# KiCad board pandemonium.kicad_pcb
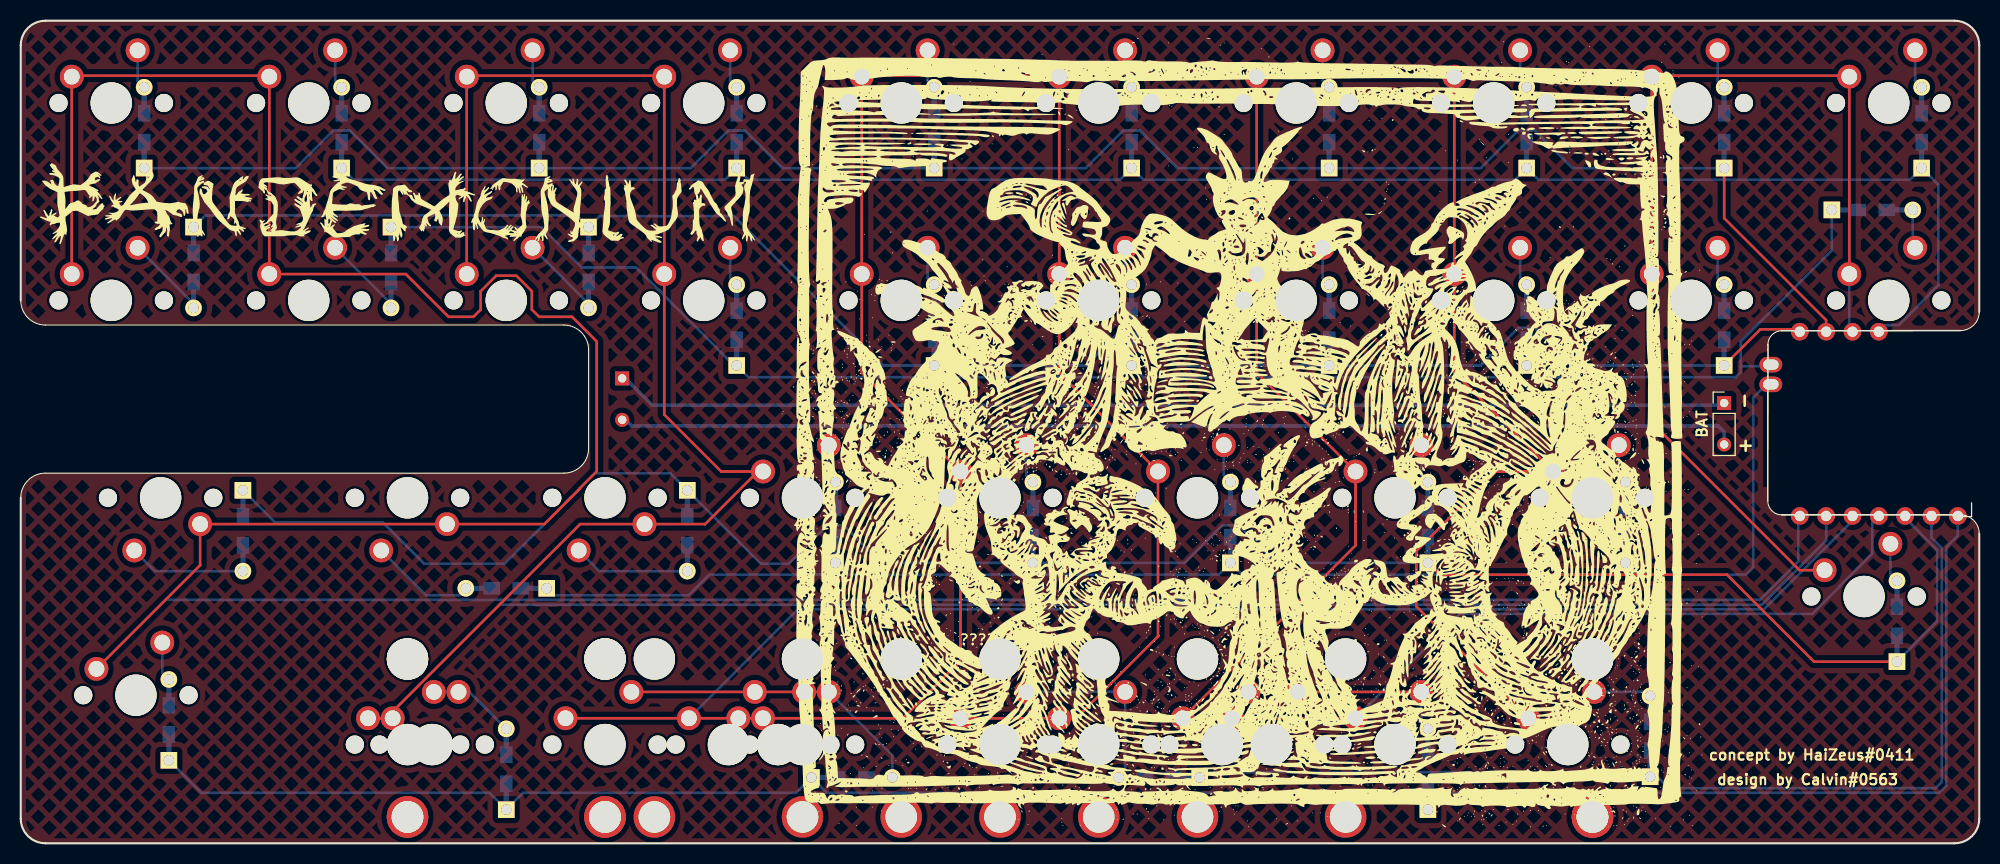
[diagram p0: board, top side]
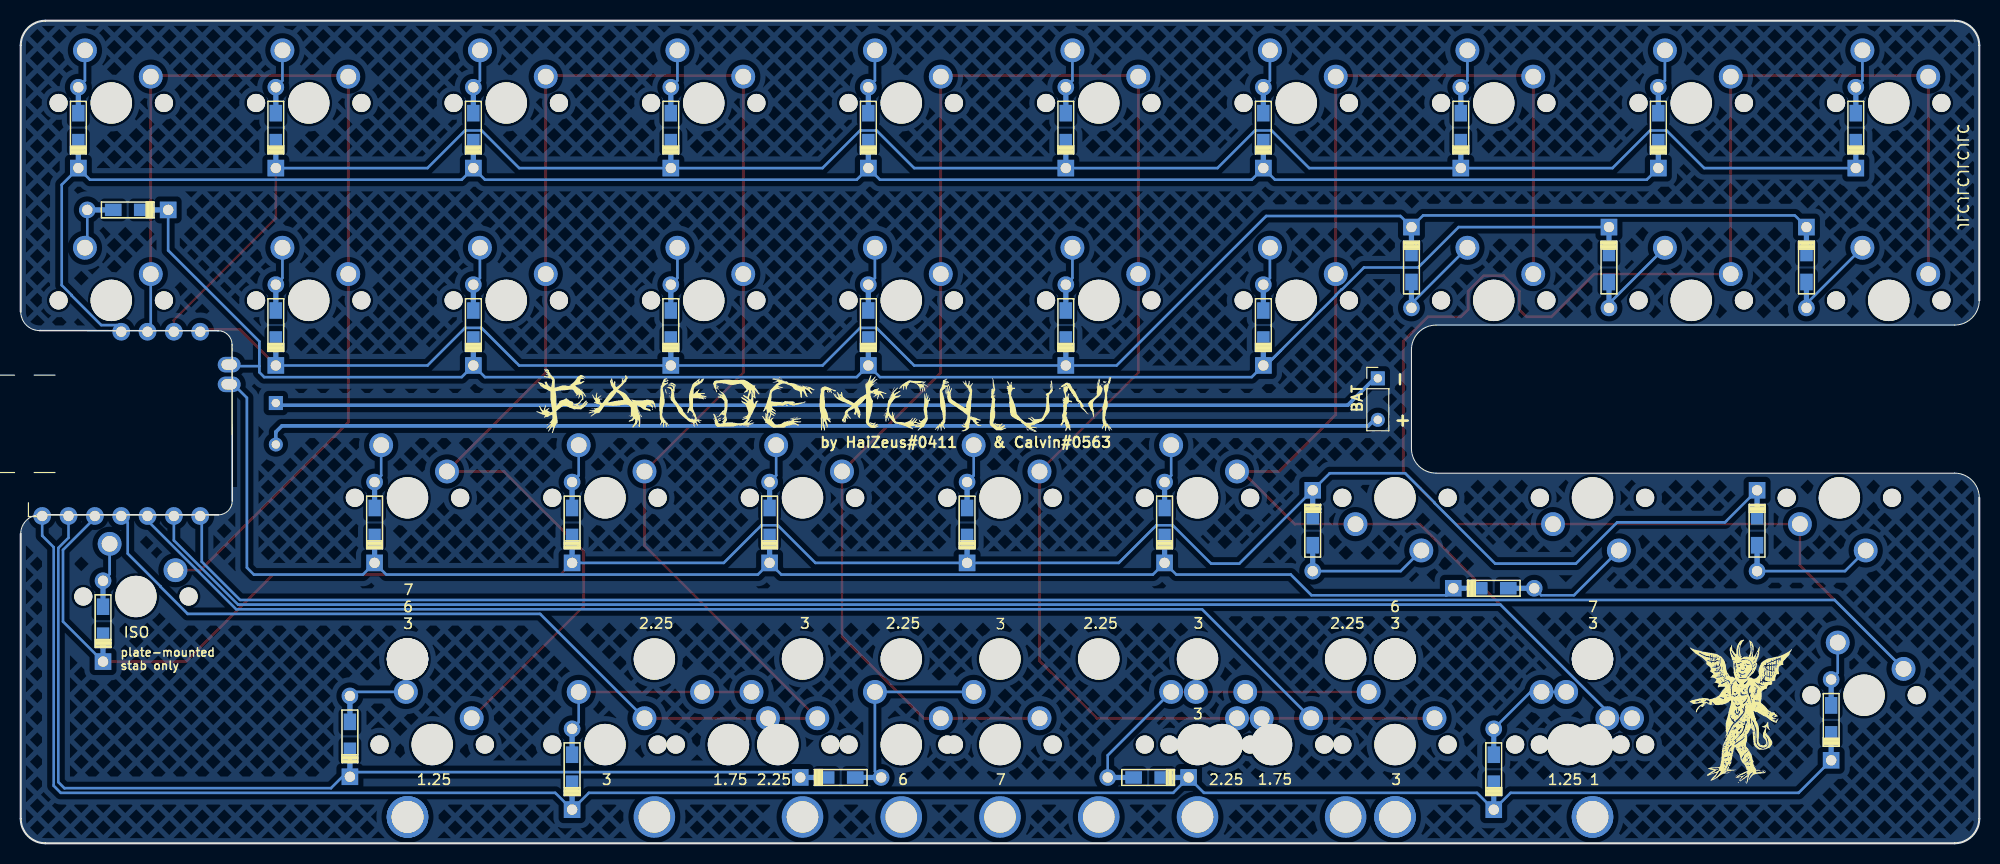
[diagram p1: board, bottom side, seen from below]

Outline 188.91 x 79.38 mm; copper layers: Top, Bottom. Coordinates in mm from the lower left corner of the outline.
Outline path: 0,76.99 0,52.39 arc(0.7,50.7) 2.38,50.01 52.39,50.01 arc(54.07,49.31) 54.77,47.63 54.77,38.1 arc(54.07,36.42) 52.39,35.72 2.38,35.72 arc(0.7,35.02) 0,33.34 0,2.38 arc(0.7,0.7) 2.38,0 186.53,0 arc(188.22,0.7) 188.91,2.38 188.91,29.87 arc(188.38,31.16) 187.09,31.69 169.86,31.69 arc(168.91,32.09) 168.51,33.04 168.53,48.12 arc(168.92,49.06) 169.86,49.45 187.09,49.47 arc(188.38,50.01) 188.91,51.3 188.91,76.99 arc(188.22,78.68) 186.53,79.38 2.38,79.38 arc(0.7,78.68) 0,76.99

## Placement (name value [footprint] x y rotation side)
D1  D_Small  [Diode-Hybrid-Back]  11.91 69.06 270 top
D2  D_Small  [Diode-Hybrid-Back]  107.16 69.06 270 top
D3  D_Small  [Diode-Hybrid-Back]  16.67 55.56 90 top
D4  D_Small  [Diode-Hybrid-Back]  107.16 50.01 270 top
D5  D_Small  [Diode-Hybrid-Back]  21.43 30.16 90 top
D6  D_Small  [Diode-Hybrid-Back]  116.68 30.96 270 top
D7  D_Small  [Diode-Hybrid-Back]  14.29 11.91 270 top
D8  D_Small  [Diode-Hybrid-Back]  30.96 69.06 270 top
D9  D_Small  [Diode-Hybrid-Back]  126.21 69.06 270 top
D10  D_Small  [Diode-Hybrid-Back]  35.72 55.56 90 top
D11  D_Small  [Diode-Hybrid-Back]  126.21 50.01 270 top
D12  D_Small  [Diode-Hybrid-Back]  46.83 24.61 0 top
D13  D_Small  [Diode-Hybrid-Back]  135.73 30.96 270 top
D14  D_Small  [Diode-Hybrid-Back]  46.83 7.14 270 top
D15  D_Small  [Diode-Hybrid-Back]  50.01 69.06 270 top
D16  D_Small  [Diode-Hybrid-Back]  145.26 69.06 270 top
D17  D_Small  [Diode-Hybrid-Back]  54.77 55.56 90 top
D18  D_Small  [Diode-Hybrid-Back]  145.26 50.01 270 top
D19  D_Small  [Diode-Hybrid-Back]  64.29 30.16 90 top
D20  D_Small  [Diode-Hybrid-Back]  154.78 30.96 270 top
D21  D_Small  [Diode-Hybrid-Back]  80.17 6.35 180 top
D22  D_Small  [Diode-Hybrid-Back]  69.06 69.06 270 top
D23  D_Small  [Diode-Hybrid-Back]  88.11 69.06 270 top
D24  D_Small  [Diode-Hybrid-Back]  109.82 6.35 0 top
D25  D_Small  [Diode-Hybrid-Back]  164.31 69.06 270 top
D26  D_Small  [Diode-Hybrid-Back]  183.36 69.06 270 top
D27  D_Small  [Diode-Hybrid-Back]  157.16 10.32 270 top
D28  D_Small  [Diode-Hybrid-Back]  69.06 50.01 270 top
D29  D_Small  [Diode-Hybrid-Back]  88.11 50.01 270 top
D31  D_Small  [Diode-Hybrid-Back]  164.31 50.01 270 top
D32  D_Small  [Diode-Hybrid-Back]  178.59 61.12 180 top
D34  D_Small  [Diode-Hybrid-Back]  78.58 30.96 270 top
D35  D_Small  [Diode-Hybrid-Back]  97.63 30.96 270 top
D37  D_Small  [Diode-Hybrid-Back]  180.98 21.43 270 top
D40  D_Small  [Diode-Hybrid-Back]  135.73 7.14 270 top
G***  -  [LOGO]  117.48 39.69 0 top
G***#2  -  [LOGO]  35.72 61.91 0 top
G***#3  -  [LOGO]  111.92 42.86 180 bottom
G***#4  -  [LOGO]  23.02 12.7 180 bottom
J1  XIAO nrf52840  [Seeeduino XIAO-MOUDLE14P-2.54-21X17.8MM]  168.68 31.59 90 bottom
J2  Conn_01x02_Female  [JST_PH_S2B-PH-K_1x02_P2.00mm_Horizontal]  164.31 40.48 270 top
J3  Conn_01x03_Female  [JST_PH_S3B-PH-K_1x03_P2.00mm_Horizontal]  58.01 42.86 270 bottom
MX1  MX_SW_solder  [SW_MX_1u]  8.73 71.44 0 top
MX2  MX_SW_solder  [SW_MX_1u]  103.98 71.44 0 top
MX3  MX_SW_solder  [SW_MX_1u]  8.73 52.39 0 top
MX4  MX_SW_solder  [SW_MX_1u]  103.98 52.39 0 top
MX5  MX_SW_solder  [SW_MX_1.5u]  13.49 33.34 180 top
MX6  MX_SW_solder  [SW_MX_1u]  113.51 33.34 0 top
MX7  MX_SW_solder  [SW_MX_1.25u]  11.11 14.29 0 top
MX8  MX_SW_solder  [SW_MX_1u]  27.78 71.44 0 top
MX9  MX_SW_solder  [SW_MX_1u]  123.03 71.44 0 top
MX10  MX_SW_solder  [SW_MX_1u]  27.78 52.39 0 top
MX11  MX_SW_solder  [SW_MX_1u]  123.03 52.39 0 top
MX12  MX_SW_solder  [SW_MX_1u]  37.31 33.34 180 top
MX13  MX_SW_solder  [SW_MX_1u]  132.56 33.34 0 top
MX14  MX_SW_solder  [SW_MX_1u]  37.31 9.53 0 top
MX15  MX_SW_solder  [SW_MX_1u]  46.83 71.44 0 top
MX16  MX_SW_solder  [SW_MX_1u]  142.08 71.44 0 top
MX17  MX_SW_solder  [SW_MX_1u]  46.83 52.39 0 top
MX18  MX_SW_solder  [SW_MX_1u]  142.08 52.39 0 top
MX19  MX_SW_solder  [SW_MX_1u]  56.36 33.34 180 top
MX20  MX_SW_solder  [SW_MX_1u]  151.61 33.34 0 top
MX21  MX_SW_solder  [SW_MX_1u]  75.41 9.53 0 top
MX22  MX_SW_solder  [SW_MX_1u]  65.88 71.44 0 top
MX23  MX_SW_solder  [SW_MX_1u]  161.13 71.44 0 top
MX24  MX_SW_solder  [SW_MX_1u]  65.88 52.39 0 top
MX25  MX_SW_solder  [SW_MX_1u]  161.13 52.39 0 top
MX26  MX_SW_solder  [SW_MX_1u]  75.41 33.34 0 top
MX27  MX_SW_solder  [SW_MX_1u]  177.8 23.81 0 top
MX28  MX_SW_solder  [SW_MX_1u]  132.56 9.53 0 top
MX29  MX_SW_solder  [SW_MX_1u]  84.93 71.44 0 top
MX30  MX_SW_solder  [SW_MX_1u]  180.18 71.44 0 top
MX31  MX_SW_solder  [SW_MX_1u]  84.93 52.39 0 top
MX32  MX_SW_solder  [SW_MX_1u]  180.18 52.39 0 top
MX33  MX_SW_solder  [SW_MX_1u]  94.46 33.34 0 top
MX34  MX_SW_solder  [SW_MX_1u]  103.98 9.53 0 top
MX35  MX_SW_solder  [SW_MX_1u]  56.36 9.53 0 top
MX36  MX_SW_solder  [SW_MX_1.25u]  39.69 9.53 0 top
MX37  MX_SW_solder  [SW_MX_1u]  73.03 9.53 0 top
MX38  MX_SW_solder  [SW_MX_1.75u]  68.26 9.53 0 top
MX39  MX_SW_solder  [SW_MX_1u]  94.46 9.53 0 top
MX42  MX_SW_solder  [SW_MX_1u]  115.89 9.53 0 top
MX43  MX_SW_solder  [SW_MX_1.75u]  120.65 9.53 0 top
MX44  MX_SW_solder  [SW_MX_1.25u]  149.23 9.53 0 top
S2  MX_stab  [STAB_MX_P_3u]  75.41 9.53 180 top
S3  MX_stab  [STAB_MX_P_3u]  132.56 9.53 180 top
S4  MX_stab  [STAB_MX_P_3u]  56.36 9.53 180 top
S6  MX_stab  [STAB_MX_P_2.25u]  73.03 9.53 180 top
S7  MX_stab  [STAB_MX_P_2.25u]  115.89 9.53 180 top
S8  MX_stab  [STAB_MX_P_6u]  103.98 9.53 180 top
S9  MX_stab  [STAB_MX_P_7u]  94.46 9.53 180 top

## Library data of the parts
D1-D29 D31 D32 D34 D35 D37 D40 = -: Description: Diode, small symbol; Sim.Device: D; Sim.Pins: 1=K 2=A
J1 = -: Description: Pro-Micro controller, Pin 1 is TX, Pin 24 is VCC, 25 is B+, 26 is B-
J2 = -: Description: Generic connector, single row, 01x02, script generated (kicad-library-utils/schlib/autogen/connector/)
J3 = -: Description: Generic connector, single row, 01x03, script generated (kicad-library-utils/schlib/autogen/connector/)
MX1-MX39 MX42-MX44 = -: Description: Push button switch, normally open, two pins, 45° tilted
S2-S4 S6-S9 = -: Description: Cherry MX-style stabilizer

## Footprints (pads in the part's own frame, mm; a bottom-side part is the same pattern mirrored in y, then rotated)
Diode-Hybrid-Back
  rect 1.6x1.2 smd far side: 1(1.4,0) 2(-1.4,0)
  rect 2.9x0.5 smd far side: 1(2.5,0) 2(-2.5,0)
  rect 1.6x1.6 hole 1: 1(3.9,0)
  round 1.6 hole 1: 2(-3.9,0)
JST_PH_S2B-PH-K_1x02_P2.00mm_Horizontal
  rect 1.35x1.35 hole 0.8: 1(-2,0)
  oval 1.35x1.35 hole 0.8: 2(2,0)
JST_PH_S3B-PH-K_1x03_P2.00mm_Horizontal
  rect 1.35x1.35 hole 0.8: 1(-2,0)
  oval 1.35x1.35 hole 0.8: 2(2,0)
Seeeduino XIAO-MOUDLE14P-2.54-21X17.8MM
  round 1.7 hole 1: 1(0,18.161)
  oval 1.7x1.7 hole 1: 2(0,15.621) 3(0,13.081) 4(0,10.541) 5(0,8.001) 6(0,5.461) 7(0,2.921) 18(17.78,2.921) 19(17.78,5.461) 20(17.78,8.001) 21(17.78,10.541)
  oval 1.5x2.2 hole 1x1.5: 8(12.7,0.127) 9(14.605,0.127)
STAB_MX_P_2.25u
  round 4 hole 3.048: (-11.906,6.985) (11.906,6.985)
  round 3.988 hole 3.988 unplated: (-11.906,-8.255) (11.906,-8.255)
STAB_MX_P_3u
  round 4 hole 3.048: (-19.05,6.985) (19.05,6.985)
  round 3.988 hole 3.988 unplated: (-19.05,-8.255) (19.05,-8.255)
STAB_MX_P_6u
  round 4 hole 3.048: (-47.625,6.985) (47.625,6.985)
  round 3.988 hole 3.988 unplated: (-47.625,-8.255) (47.625,-8.255)
STAB_MX_P_7u
  round 4 hole 3.048: (-57.15,6.985) (57.15,6.985)
  round 3.988 hole 3.988 unplated: (-57.15,-8.255) (57.15,-8.255)
SW_MX_1.5u
  round 1.75 hole 1.75 unplated: (-5.08,0) (5.08,0)
  round 3.988 hole 3.988 unplated: (0,0)
  round 2.3 hole 1.524: 1(-3.81,2.54) 2(2.54,5.08)
SW_MX_1.25u
  round 1.75 hole 1.75 unplated: (-5.08,0) (5.08,0)
  round 3.988 hole 3.988 unplated: (0,0)
  round 2.3 hole 1.524: 1(-3.81,2.54) 2(2.54,5.08)
SW_MX_1.75u
  round 1.75 hole 1.75 unplated: (-5.08,0) (5.08,0)
  round 3.988 hole 3.988 unplated: (0,0)
  round 2.3 hole 1.524: 1(-3.81,2.54) 2(2.54,5.08)
SW_MX_1u
  round 1.75 hole 1.75 unplated: (-5.08,0) (5.08,0)
  round 3.988 hole 3.988 unplated: (0,0)
  round 2.3 hole 1.524: 1(-3.81,2.54) 2(2.54,5.08)

## Nets
+BATT: J2.2 J3.2
-BATT: J2.1 J3.1
COL0: J1.7 MX1.1 MX3.1 MX5.1 MX7.1 MX8.1 MX10.1 MX12.1
COL1: J1.6 MX14.1 MX15.1 MX17.1 MX19.1 MX22.1 MX24.1 MX26.1 MX36.1
COL2: J1.5 MX2.1 MX4.1 MX6.1 MX21.1 MX29.1 MX31.1 MX33.1 MX34.1 MX35.1 MX37.1 MX38.1 MX39.1
COL3: J1.4 MX9.1 MX11.1 MX13.1 MX16.1 MX18.1 MX20.1 MX28.1 MX42.1 MX43.1 MX44.1
COL4: J1.20 MX23.1 MX25.1 MX27.1 MX30.1 MX32.1
ROW0: D1.1 D9.1 D15.1 D23.1 D25.1 J1.19
ROW1: D2.1 D8.1 D16.1 D22.1 D26.1 J1.21
ROW2: D3.1 D11.1 D17.1 D29.1 D31.1 J1.18
ROW3: D4.1 D10.1 D18.1 D28.1 D32.1 J1.9
ROW4: D5.1 D13.1 D19.1 D35.1 D37.1 J1.3
ROW5: D6.1 D12.1 D20.1 D34.1 J1.8
ROW6: D7.1 D14.1 D21.1 D40.1 J1.1
ROW7: D24.1 D27.1 J1.2
Net-(D1-A): D1.2 MX1.2
Net-(D2-A): D2.2 MX2.2
Net-(D3-A): D3.2 MX3.2
Net-(D4-A): D4.2 MX4.2
Net-(D5-A): D5.2 MX5.2
Net-(D6-A): D6.2 MX6.2
Net-(D7-A): D7.2 MX7.2
Net-(D8-A): D8.2 MX8.2
Net-(D9-A): D9.2 MX9.2
Net-(D10-A): D10.2 MX10.2
Net-(D11-A): D11.2 MX11.2
Net-(D12-A): D12.2 MX12.2
Net-(D13-A): D13.2 MX13.2
Net-(D14-A): D14.2 MX14.2 MX36.2
Net-(D15-A): D15.2 MX15.2
Net-(D16-A): D16.2 MX16.2
Net-(D17-A): D17.2 MX17.2
Net-(D18-A): D18.2 MX18.2
Net-(D19-A): D19.2 MX19.2
Net-(D20-A): D20.2 MX20.2
Net-(D21-A): D21.2 MX21.2 MX35.2 MX37.2 MX38.2
Net-(D22-A): D22.2 MX22.2
Net-(D23-A): D23.2 MX29.2
Net-(D24-A): D24.2 MX34.2 MX39.2
Net-(D25-A): D25.2 MX23.2
Net-(D26-A): D26.2 MX30.2
Net-(D27-A): D27.2 MX44.2
Net-(D28-A): D28.2 MX24.2
Net-(D29-A): D29.2 MX31.2
Net-(D31-A): D31.2 MX25.2
Net-(D32-A): D32.2 MX32.2
Net-(D34-A): D34.2 MX26.2
Net-(D35-A): D35.2 MX33.2
Net-(D37-A): D37.2 MX27.2
Net-(D40-A): D40.2 MX28.2 MX42.2 MX43.2

## Routing (per net, layer and track width the routed paths; a pad name or vN(x,y) marks a point on that pad's centre or on a via; arc(x,y) is an arc through that point)
+BATT: length 108
  Bottom w0.35: J2.2 164.31,39.69 163.72,40.28 58.94,40.28 58.36,40.86 J3.2
-BATT: length 107.5
  Bottom w0.35: J2.1 164.1,42.28 60.91,42.28 58.33,44.86 J3.1
COL0: length 340.8
  Top w0.25: MX7.1 17.3,26.83 MX5.1 MX12.1 50.5,30.8 53.91,34.2 53.91,34.24 55.56,35.89 55.56,48.42 53.18,50.8 50.01,50.8 49.3,51.51 49.3,53.27 47.8,54.77 45.86,54.77 44.36,53.27 44.36,51.51 43.66,50.8 41.28,50.8 37.15,54.93 MX10.1 MX8.1 23.87,74.08 5.03,74.08 MX1.1 MX3.1
  Bottom w0.25: MX7.1 13.96,23.48 167.76,23.48 171.45,27.17 171.45,31.43 171.58,31.57 171.6,31.57
COL1: length 281
  Top w0.25: MX17.1 MX15.1 43.13,74.08 61.97,74.08 MX22.1 MX24.1 62.07,41.37 67.56,35.88 MX26.1 71.1,35.88 66.02,30.8 MX19.1 53.95,30.8 35.22,12.07 MX14.1 MX36.1
  Bottom w0.25: 174.14,31.57 174.14,29.23 167.95,23.03 46.19,23.03 35.88,12.72 MX36.1
COL2: length 320.7
  Top w0.25: MX35.1 MX21.1 85.09,12.07 90.65,17.62 MX33.1 81.12,45.4 MX31.1 MX29.1 81.23,74.08 100.07,74.08 MX2.1 MX4.1 100.17,45.4 MX6.1 109.7,19.96 101.8,12.07 MX34.1 MX39.1
  Bottom w0.25: MX38.1 74.97,22.58 168.13,22.58 176.68,31.13 176.68,31.57
COL3: length 247.9
  Top w0.25: MX44.1 134.61,22.87 134.61,28.18 142.3,35.88 MX20.1 147.8,35.9 138.27,45.42 MX18.1 MX16.1 138.17,74.08 119.33,74.08 MX9.1 MX11.1 119.22,45.4 MX13.1 128.75,28.73 MX42.1 MX28.1
  Bottom w0.25: 179.22,31.57 179.2,31.57 178.59,30.96 178.59,27.96 175.43,24.79 175.43,24.76 172.81,22.13 138.81,22.13 MX28.1
COL4: length 99.6
  Top w0.25: MX32.1 MX30.1 176.27,74.08 157.43,74.08 MX23.1 MX25.1 157.32,40.6 171.57,26.35 MX27.1
  Bottom w0.25: 176.68,49.59 176.37,49.9 MX32.1
ROW0: length 184.1
  Top w0.25: D25.1 164.31,60.33 174.14,50.49 174.14,49.58
  Bottom w0.25: D25.1 149.68,65.16 146.05,68.78 144.46,68.78 140.84,65.16 D9.1 111.58,65.16 107.95,68.78 106.36,68.78 102.74,65.16 D23.1 73.48,65.16 69.85,68.78 68.26,68.78 64.64,65.16 D15.1 35.38,65.16 31.75,68.78 30.16,68.78 26.54,65.16 D1.1
ROW1: length 175.6
  Bottom w0.25: 179.22,49.59 179.64,50.01 181.15,50.01 184.01,52.87 184.01,52.91 184.96,53.85 184.96,63.55 D26.1 182.23,64.03 146.38,64.03 D16.1 144.13,64.03 108.28,64.03 D2.1 106.03,64.03 70.18,64.03 D22.1 67.93,64.03 32.08,64.03 D8.1
ROW2: length 169.7
  Top w0.25: D31.1 167.79,49.59 169.91,49.59 169.92,49.58 171.39,49.58 171.6,49.58
  Bottom w0.25: D3.1 17.79,60.59 53.64,60.59 D17.1 55.84,60.53 68.78,60.53 83.21,46.11 D29.1 102.74,46.11 106.36,49.73 107.95,49.73 111.58,46.11 D11.1 140.84,46.11 144.46,49.73 146.05,49.73 149.68,46.11 D31.1
ROW3: length 163
  Bottom w0.25: D10.1 50.22,59.46 54.12,55.56 59.35,55.56 61.46,53.45 61.5,53.45 62.05,52.91 62.05,52.87 67.38,47.54 ; 165.89,46.04 165.89,45.44 165.43,44.98 146.38,44.98 D18.1 144.13,44.98 108.28,44.98 D4.1 106.03,44.98 70.18,44.98 D28.1 68.81,46.11 ; 165.89,46.04 165.89,48.42 174.69,57.22 D32.1 175.42,61.12 ; 165.89,46.04 168.4,46.04 168.4,46.19 ; 67.38,47.54 68.81,46.11 ; 67.38,47.54 68.81,46.11
ROW4: length 196.6
  Top w0.25: D13.1 136.86,25.93 164.57,25.93 172.97,17.53 D37.1
  Bottom w0.25: D37.1 184.84,21.39 184.84,28.31 181.76,31.38 181.76,31.57 ; D13.1 121.1,27.06 117.48,30.68 115.89,30.68 112.26,27.06 D35.1 83,27.06 79.38,30.68 77.79,30.68 74.09,26.99 71.37,26.99 D19.1 62.65,35.71 55.38,35.71 52.53,32.86 52.53,32.82 46.69,26.99 38.91,26.99 34.93,30.97 24.53,30.97 D5.1
ROW5: length 138.8
  Bottom w0.25: D12.1 51.41,23.93 64.41,23.93 66.41,25.93 77.46,25.93 D34.1 79.71,25.93 115.56,25.93 D6.1 117.81,25.93 153.66,25.93 D20.1 155.91,25.93 166.42,25.93 167.1,26.6 167.1,42.98 168.4,44.29
ROW6: length 203.4
  Bottom w0.25: D7.1 17.43,4.87 45.21,4.87 D14.1 48.45,4.87 74.78,4.87 D21.1 77.75,4.87 134.11,4.87 D40.1 137.35,4.87 185.05,4.87 185.74,5.56 185.74,28.58 186.84,29.68 186.84,31.57
ROW7: length 98.7
  Bottom w0.25: 184.3,31.57 184.3,29.48 185.29,28.49 185.29,5.9 184.7,5.32 158.99,5.32 157.89,6.42 D27.1 156.71,6.87 114.24,6.87 D24.1
Net-(D1-A): length 3.8
  Bottom w0.25: D1.2 11.27,73.59 MX1.2
Net-(D2-A): length 3.8
  Bottom w0.25: D2.2 106.52,73.59 MX2.2
Net-(D3-A): length 8
  Bottom w0.25: D3.2 16.67,52.07 MX3.2
Net-(D4-A): length 3.8
  Bottom w0.25: D4.2 106.52,54.54 MX4.2
Net-(D5-A): length 11.3
  Bottom w0.25: D5.2 12.95,26.26 MX5.2
Net-(D6-A): length 3.8
  Bottom w0.25: D6.2 116.05,35.49 MX6.2
Net-(D7-A): length 3.8
  Bottom w0.25: D7.2 13.65,16.44 MX7.2
Net-(D8-A): length 3.8
  Bottom w0.25: MX8.2 30.32,73.59 D8.2
Net-(D9-A): length 3.8
  Bottom w0.25: D9.2 125.57,73.59 125.57,76.52
Net-(D10-A): length 8
  Bottom w0.25: MX10.2 35.72,52.07 D10.2
Net-(D11-A): length 3.8
  Bottom w0.25: D11.2 125.57,54.54 125.57,57.47
Net-(D12-A): length 10.2
  Bottom w0.25: D12.2 42.26,23.93 39.09,23.93 MX12.2
Net-(D13-A): length 3.8
  Bottom w0.25: MX13.2 135.1,35.49 D13.2
Net-(D14-A): length 8.5
  Bottom w0.25: D14.2 43.27,14.61 MX36.2 MX14.2
Net-(D15-A): length 3.8
  Bottom w0.25: MX15.2 49.37,73.59 D15.2
Net-(D16-A): length 3.8
  Bottom w0.25: D16.2 144.62,73.59 MX16.2
Net-(D17-A): length 8
  Bottom w0.25: MX17.2 54.77,52.07 D17.2
Net-(D18-A): length 3.8
  Bottom w0.25: D18.2 144.62,54.54 MX18.2
Net-(D19-A): length 11.3
  Bottom w0.25: D19.2 55.81,26.26 MX19.2
Net-(D20-A): length 3.8
  Bottom w0.25: D20.2 154.15,35.49 MX20.2
Net-(D21-A): length 29.8
  Top w0.25: MX35.2 MX21.2
  Bottom w0.25: MX21.2 84.07,8.48 D21.2
Net-(D22-A): length 3.8
  Bottom w0.25: MX22.2 68.42,73.59 D22.2
Net-(D23-A): length 3.8
  Bottom w0.25: MX29.2 87.47,73.59 D23.2
Net-(D24-A): length 18
  Bottom w0.25: MX39.2 MX34.2 106.52,6.95 105.92,6.35
Net-(D25-A): length 3.8
  Bottom w0.25: D25.2 163.67,73.59 MX23.2
Net-(D26-A): length 3.8
  Bottom w0.25: D26.2 182.72,73.59 MX30.2
Net-(D27-A): length 5.6
  Bottom w0.25: D27.2 156.78,14.61 MX44.2
Net-(D28-A): length 3.8
  Bottom w0.25: D28.2 68.42,54.54 MX24.2
Net-(D29-A): length 3.8
  Bottom w0.25: MX31.2 87.47,54.54 D29.2
Net-(D31-A): length 3.8
  Bottom w0.25: D31.2 163.67,54.54 MX25.2
Net-(D32-A): length 3.7
  Bottom w0.25: MX32.2 182.49,57.7 D32.2
Net-(D34-A): length 3.8
  Bottom w0.25: MX26.2 77.95,35.49 D34.2
Net-(D35-A): length 3.8
  Bottom w0.25: D35.2 97,35.49 MX33.2
Net-(D37-A): length 3.8
  Bottom w0.25: D37.2 180.34,25.97 MX27.2
Net-(D40-A): length 20.5
  Top w0.25: MX42.2 MX43.2 MX28.2
  Bottom w0.25: D40.2 135.1,11.68 MX28.2

## Copper pours and planes (outline as drawn; the poured copper is in the pictures)
(no net) on Top, Bottom: 196.06,87.31 -4.76,87.31 -4.76,-7.94 196.06,-7.94

## Text on the board
B.Silkscreen: plate-mounted / stab only | 3 | 1 | 7 | 1.25 | 6 | 2.25 | 1.75 | ISO | JLCJLCJLCJLC | & Calvin#0563 | by HaiZeus#0411 | BAT | + | -
F.Silkscreen: 𝔓𝔞𝔫𝔡𝔢𝔪𝔬𝔫𝔦𝔲𝔪 | concept by HaiZeus#0411 | design by Calvin#0563 | BAT | + | -
